# Allegro board PROC048A_BRD.brd (continued)
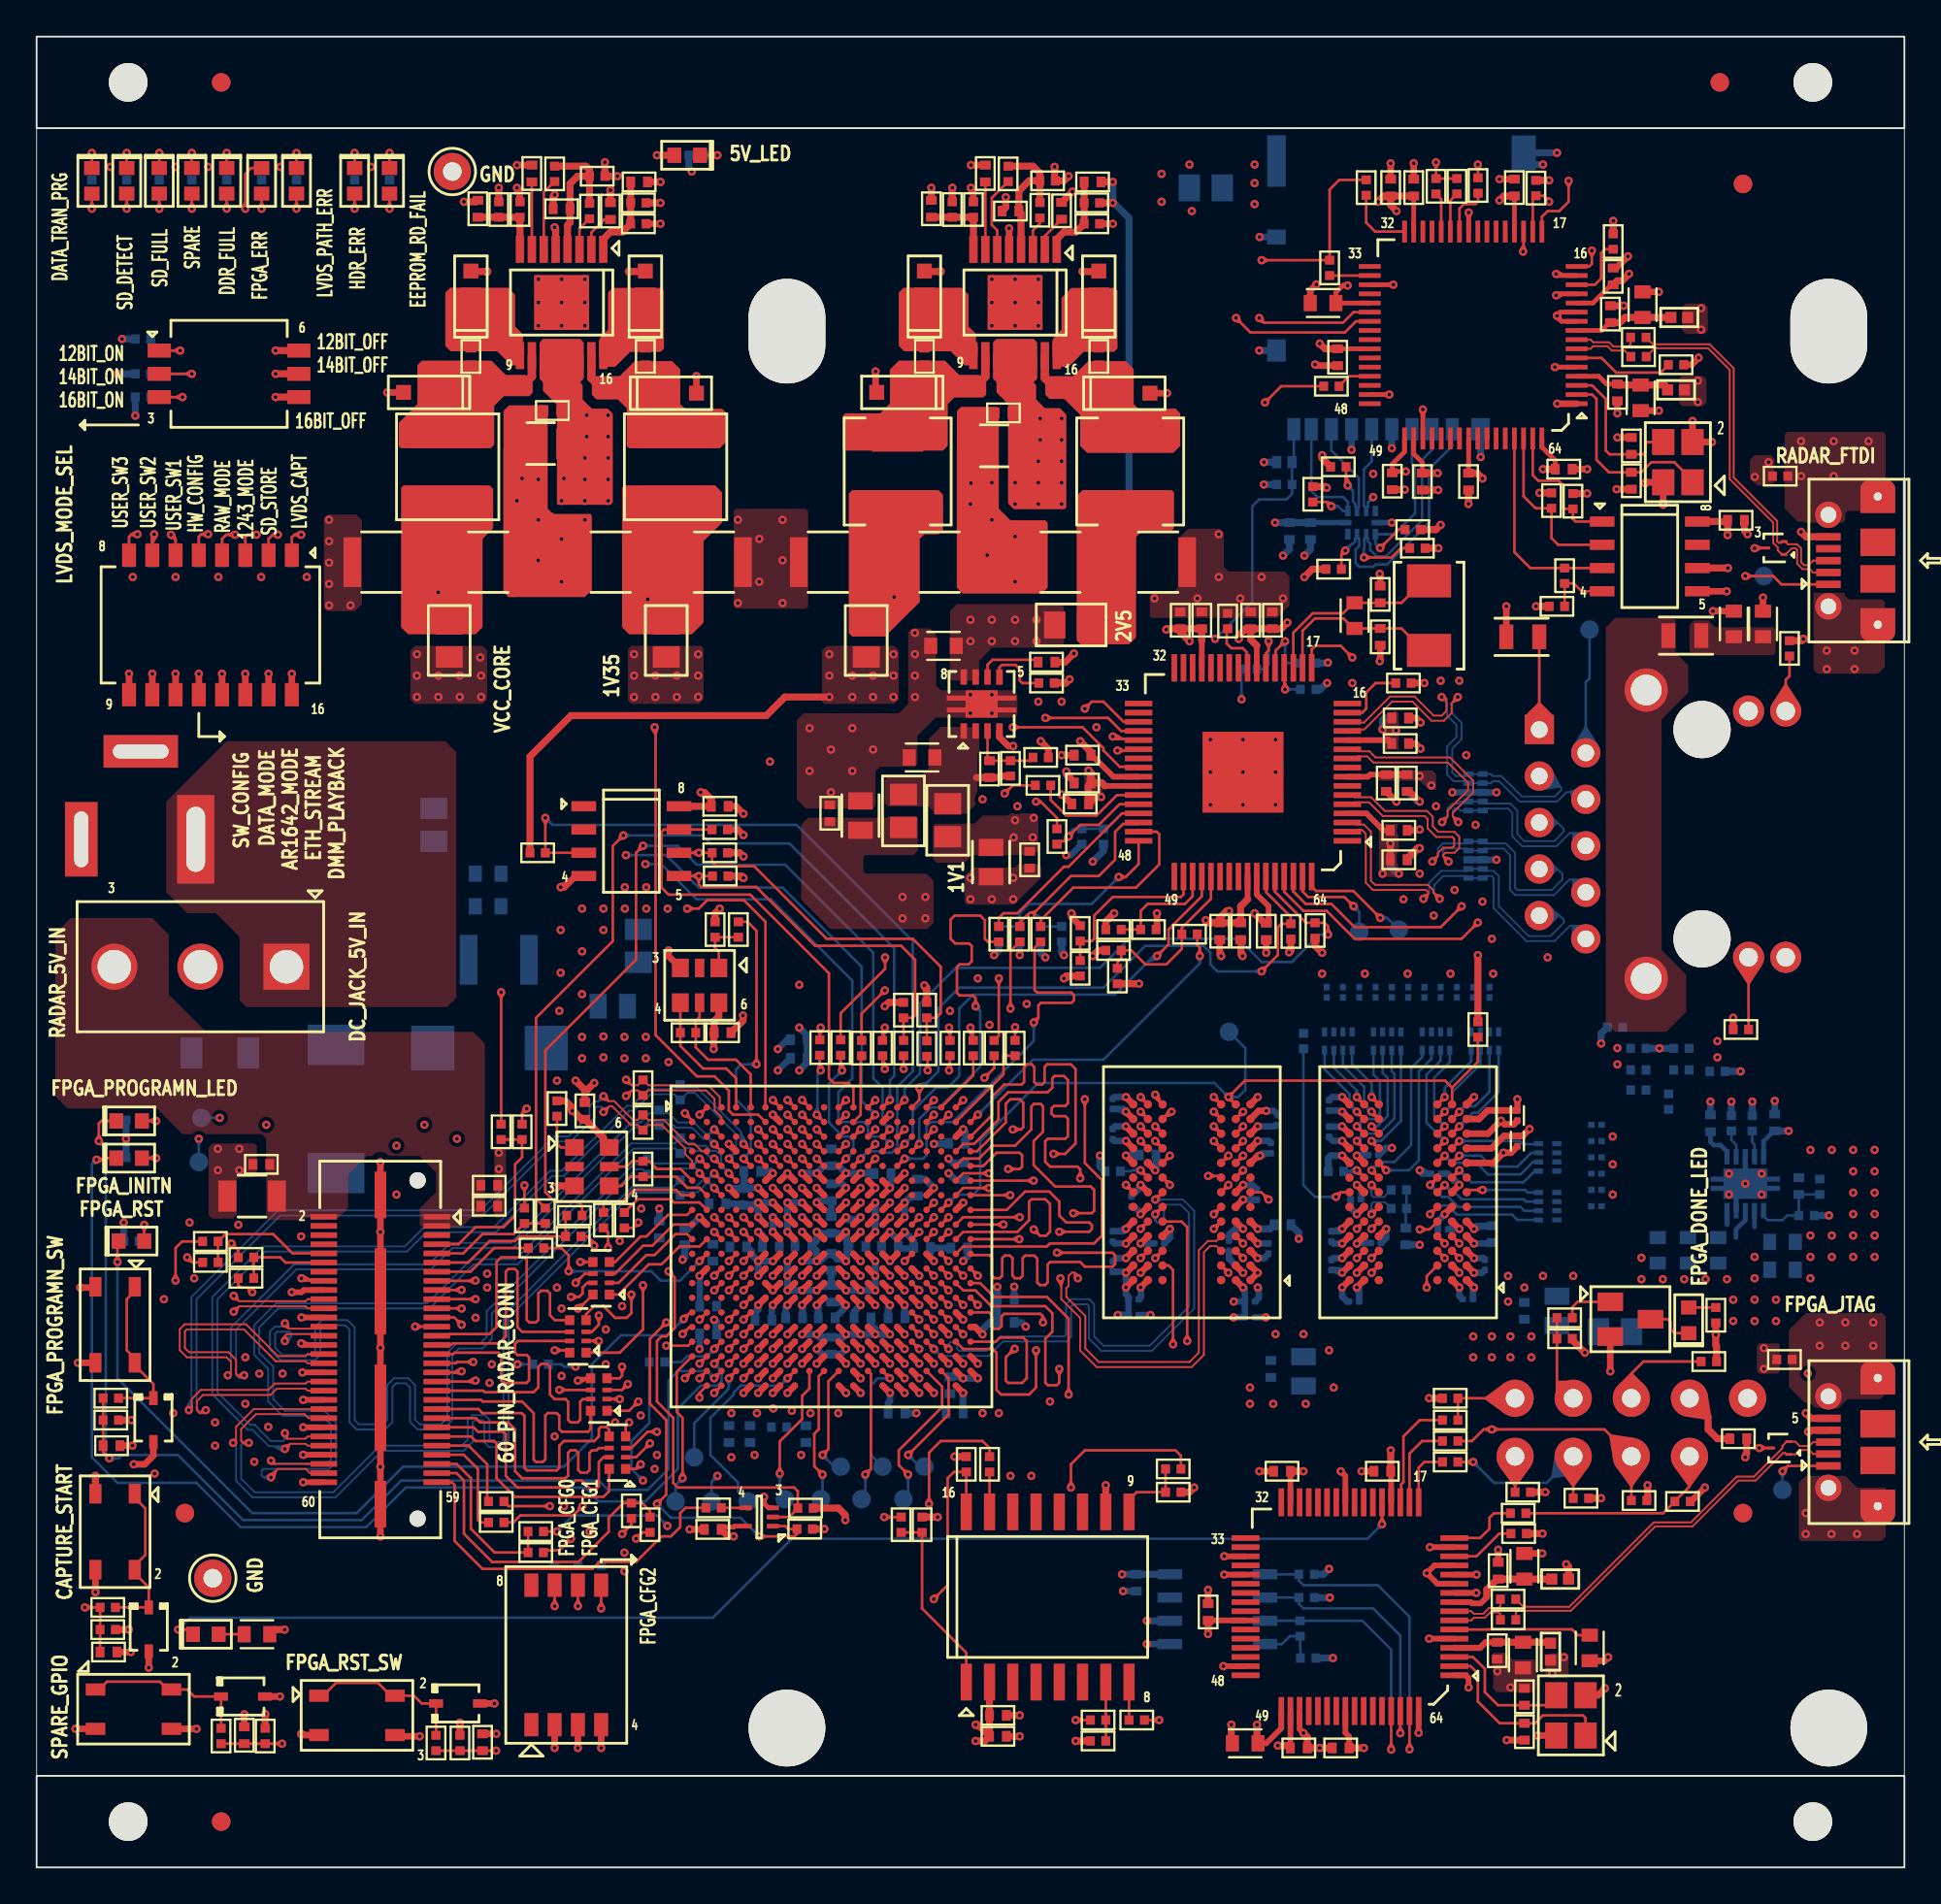
[diagram p0: board, top side]
## Routing (per net, layer and track width the routed paths; a pad name or vN(x,y) marks a point on that pad's centre or on a via; arc(x,y) is an arc through that point) (continued)
AR1243_LVDS_MODE: length 53.7
  TOP w0.14: U12.C6 v1(39.4,40.31) ; v1(12.01,72.79) 11.54,72.79 11.4,72.65 SW2.3
  L03_SIG1 w0.107: v1(39.4,40.31) 36.04,43.68 36.04,52.68 36.7,53.35 36.7,55.77 33.62,58.85 23.59,58.85 13.56,68.88 13.56,71.24 v1(12.01,72.79)
  BOTTOM w0.14: R175.2 11.4,72.68 11.51,72.79 v1(12.01,72.79)
BST1_REGA: length 1.8
  TOP w0.457: U1.15 30.29,81.35 30.7,80.95
BST1_REGB: length 1.8
  TOP w0.457: 55.47,80.95 55.06,81.35 U2.15
BST2_REGA: length 1.7
  TOP w0.457: 26.68,81.07 27.05,81.43 U1.10
BST2_REGB: length 1.7
  TOP w0.457: U2.10 51.81,81.43 51.45,81.07
C_RGMII_RXC: length 6.4
  TOP w0.14: U6.43 60.18,58.57 59,58.57 57.88,57.45 56.23,57.45 55.38,58.3 R47.2
C_RGMII_RXCTL: length 9.6
  TOP w0.14: R66.2 59.02,49.45 59.23,49.66 R64.2 59.78,50.08 60.55,49.32 61.69,49.32 62.54,50.17 R63.2 62.54,51.32 64.13,52.91 64.13,54.12
C_RGMII_RXD0: length 7.5
  TOP w0.14: U6.44 59.14,58.07 58.01,56.94 56.99,56.94 v1(56.36,56.31) 56.1,56.05 55.89,56.05 R48.1
  BOTTOM w0.14: R184.2 R185.2 56.65,56.73 56.36,56.43 v1(56.36,56.31)
C_RGMII_RXD1: length 10.5
  TOP w0.14: U6.45 59.27,57.57 56.36,54.66 56.1,54.66 53.56,52.12 52.8,52.12 52.55,51.86 R60.1
C_RGMII_RXD2: length 12
  TOP w0.14: U6.46 60.1,56.99 59.33,56.99 58.9,56.56 58.9,55.04 58.01,54.15 56.48,54.15 v1(54.32,51.99) 54.07,51.99 53.69,51.61 R61.1
  BOTTOM w0.14: v1(54.32,51.99) 54.69,51.99 54.83,51.85 R187.2 R186.1
C_RGMII_RXD3: length 10.9
  TOP w0.14: R62.1 54.83,51.74 56.61,53.51 60.04,53.51 61.31,54.78 61.31,56.43 61.17,56.57 U6.47
C_RGMII_RXD4: length 10.7
  TOP w0.14: v1(59.09,54.09) 59.48,54.09 60.18,54.8 U6.48
  BOTTOM w0.14: v1(59.09,54.09) 57.63,52.62 54.2,52.62 53.69,52.12 R188.2 R189.1
C_RGMII_RXD6: length 9.5
  TOP w0.14: R65.1 R59.2 57.63,50.6 57.75,50.72 57.75,51.99 58.77,53.01 62.49,53.01 62.63,53.15 U6.50
C_RGMII_RXD7: length 6.3
  TOP w0.14: R55.1 R56.2 60.3,52.25 60.67,52.62 62.71,52.62 63.13,53.05 U6.51
CAPTURE_START: length 51.6
  TOP w0.14: C89.2 R153.2 R151.1 v1(2.63,14.2) ; U12.U1 35.58,28.49 v1(34.38,28.49)
  L08_SIG2 w0.107: v1(2.63,14.2) 3.2,13.64 32.23,13.64 33.43,14.84 33.43,18.4 31.97,19.86 31.97,23.03 33.5,24.56 33.5,27.61 v1(34.38,28.49)
CFG0: length 24.9
  TOP w0.14: v1(28.29,14.27) S1.7 ; U12.U4 v1(37.8,28.31)
  L03_SIG1 w0.107: v1(28.29,14.27) 29.3,13.25 31.97,13.25 33.88,15.16 33.88,18.72 36.29,21.13 36.29,25.19 36.62,25.52 36.62,26.16 36.8,26.33 37.16,26.33 37.38,26.56 37.38,27.9 v1(37.8,28.31)
  BOTTOM w0.14: v1(28.29,14.27) R217.2
CFG1: length 24.3
  TOP w0.14: U12.T4 v1(37.8,29.11) ; v1(29.56,14.27) S1.6
  L03_SIG1 w0.107: v1(29.56,14.27) 30.12,13.71 31.79,13.71 33.37,15.29 33.37,18.59 35.81,21.03 35.81,26.97 35.94,27.1 36.47,27.1 36.59,27.22 36.59,28.8 36.91,29.11 v1(37.8,29.11)
  BOTTOM w0.14: R216.2 v1(29.56,14.27)
CFG2: length 22.5
  TOP w0.14: U12.R4 v1(37.8,29.91) ; S1.5 v1(30.83,14.14)
  L03_SIG1 w0.107: v1(30.83,14.14) 30.83,17.95 32.86,19.99 33.11,19.99 35.02,21.89 35.02,26.97 35.65,27.61 35.65,28.37 36.8,29.51 37.4,29.51 v1(37.8,29.91)
  BOTTOM w0.14: R215.2 v1(30.83,14.14)
CONFIG_VIA_HW: length 57.2
  TOP w0.14: v1(9.37,72.82) 9,72.82 8.86,72.68 SW2.5 ; U12.A7 v1(40.2,41.91)
  L03_SIG1 w0.107: v1(40.2,41.91) 38.88,43.24 38.88,45.18 39.04,45.34 39.04,57.88 36.42,60.5 31.72,60.5 17.62,74.6 11.14,74.6 v1(9.37,72.82)
  BOTTOM w0.14: v1(9.37,72.82) 9,72.82 8.86,72.68 R177.2
CONN_SPI_CLK: length 6.6
  TOP w0.14: J3.9 23.3,33.54 24.35,34.59 26.06,34.59 R91.2 R92.2
CONN_SPI_CSN: length 10.4
  TOP w0.14: J3.7 23.04,34.04 23.97,34.97 25.49,34.97 26.13,35.61 26.13,38.4 26.51,38.78 R86.2 R85.2
CONN_SPI_MISO: length 5.1
  TOP w0.14: R96.2 R90.2 13.3,33.32 13.59,33.04 J3.12
CONN_SPI_MOSI: length 8.8
  TOP w0.14: R99.2 28.88,35.55 R101.2 26.38,34.46 26.13,34.21 24.73,34.21 23.56,33.04 J3.11
DATA_TRANS_PROG_LED1: length 83.1
  TOP w0.14: LD1.1 v1(3.02,93.65) ; U12.E6 v1(39.4,38.71)
  L03_SIG1 w0.107: v1(3.02,93.65) 2.51,93.14 2.51,69.39 5.17,66.72 13.3,66.72 23.21,56.82 32.86,56.82 34,55.67 34,43.73 34.89,42.85 35.4,42.85 37.43,40.81 37.84,40.81 38.19,40.46 38.19,39.29 38.37,39.11 39,39.11 v1(39.4,38.71)
DDR3_A0: length 48.7
  TOP w0.14: U12.K18 v1(49.8,34.71) ; U11.K3 v1(76.9,39.68) ; U10.K3 v1(64.29,39.68)
  L08_SIG2 w0.107: v1(49.8,34.71) 49.8,34.97 49.38,35.39 49.38,35.73 49.58,35.93 51.93,35.93 52.8,36.81 52.8,37.86 52.37,38.29 51.26,38.29 51.15,38.4 51.15,38.66 51.26,38.77 53.94,38.77 55.22,40.06 58,40.06 58.39,39.67 58.89,39.67 59.28,40.06 59.76,40.06 59.87,40.17 59.87,41.53 59.99,41.66 60.57,41.66 60.67,41.55 60.67,40.17 60.78,40.06 61.75,40.06 61.86,40.17 61.86,40.77 61.97,40.88 62.18,40.88 62.29,40.77 62.29,40.17 62.39,40.06 63.21,40.06 63.59,39.68 v1(64.29,39.68) 64.74,39.68 65.13,40.06 67.41,40.06 67.91,40.56 67.91,41.07 68.5,41.66 73.62,41.66 75.6,39.68 v1(76.9,39.68)
  BOTTOM w0.14: v1(76.9,39.68) 75.9,40.67 75.9,43.3 76.67,44.07 RA6.6
DDR3_A1: length 47.6
  TOP w0.14: U10.L7 v1(61.09,40.48) ; U12.G20 v1(53.17,36.71) ; U11.L7 v1(72.9,40.48)
  L03_SIG1 w0.107: v1(53.17,36.71) 52.87,36.71 52.77,36.82 52.77,36.97 53.94,38.15 53.94,38.79 53.84,38.89 53.03,38.89 52.93,39 52.93,39.21 53.03,39.32 53.84,39.32 53.94,39.43 53.94,40.31 54.07,40.43 55.72,40.43 55.97,40.69 55.97,42.85 56.48,43.35 56.48,45.13 57.22,45.87 59.81,45.87 59.91,45.77 59.91,43.86 59.66,43.61 59.02,43.61 58.64,43.23 58.64,41.07 58.85,40.86 60.49,40.86 60.53,40.81 60.75,40.81 v1(61.09,40.48) 62.51,40.48 63.73,41.7 66.89,41.7 67.39,42.2 69.29,42.2 69.4,42.09 69.4,40.72 69.69,40.43 70.71,40.43 71.13,40.86 72.52,40.86 v1(72.9,40.48)
  BOTTOM w0.14: v1(72.9,40.48) 73.22,40.48 73.78,41.04 73.78,43.13 73.5,43.4 RA7.7
DDR3_A2: length 47.8
  TOP w0.14: U11.L3 v1(76.9,40.48) ; U12.G19 50.6,37.11 v1(52.01,37.11) ; U10.L3 v1(64.29,40.48)
  L08_SIG2 w0.107: v1(52.01,37.11) 49.54,37.11 48.99,37.66 48.99,37.99 49.33,38.33 50.15,38.33 50.26,38.44 50.26,39.26 50.42,39.42 53.51,39.42 54.07,39.98 54.07,40.81 54.26,41 55.54,41 55.83,40.7 58.02,40.7 58.64,41.32 58.64,42.34 59.28,42.97 61.82,42.97 61.94,42.85 61.94,42.59 62.07,42.46 62.35,42.46 62.45,42.57 62.45,42.87 62.56,42.97 62.87,42.97 63.02,42.82 63.02,41.18 63.72,40.48 v1(64.29,40.48) 64.6,40.48 65.02,40.9 66.05,40.9 67.93,42.78 74,42.78 76.31,40.48 v1(76.9,40.48)
  BOTTOM w0.14: v1(76.9,40.48) 76.32,41.06 76.32,43.13 77.17,43.98 RA6.5
DDR3_A3: length 47.5
  TOP w0.14: U12.J18 v1(49.8,35.51) ; U10.K2 v1(65.89,39.68) ; U11.K2 v1(77.7,39.68)
  L08_SIG2 w0.107: v1(49.8,35.51) 50.24,35.51 50.34,35.41 50.34,34.32 50.45,34.21 50.66,34.21 50.77,34.32 50.77,35.41 50.88,35.51 51.09,35.51 51.2,35.41 51.2,34.32 51.3,34.21 51.52,34.21 51.62,34.32 51.62,35.41 51.73,35.51 52.2,35.51 52.95,36.27 53.33,36.27 53.56,36.5 53.56,38.27 53.69,38.4 54.83,38.4 55.09,38.65 55.09,39.42 55.34,39.67 55.85,39.67 55.97,39.54 55.97,38.53 56.1,38.4 56.36,38.4 56.48,38.53 56.48,39.54 56.61,39.67 57.82,39.67 58.2,39.29 59.66,39.29 60.04,38.91 61.31,38.91 61.66,39.26 64.83,39.26 65.25,39.68 v1(65.89,39.68) 66.13,39.68 66.52,39.29 68.04,39.29 68.42,39.67 68.42,40.94 68.8,41.32 70.5,41.32 70.96,40.86 73.96,40.86 75.53,39.3 77.32,39.3 v1(77.7,39.68)
  BOTTOM w0.14: v1(77.7,39.68) 80.99,39.68 81.16,39.5 81.99,39.5 RA9.8
DDR3_A4: length 48
  TOP w0.14: U10.L8 v1(60.29,40.48) ; v1(53.69,35.51) 50.6,35.51 U12.J19 ; U11.L8 v1(72.1,40.48)
  L03_SIG1 w0.107: v1(53.69,35.51) 53.69,37.38 54.32,38.02 54.32,39.92 54.45,40.05 56.1,40.05 56.86,40.81 56.86,41.07 56.36,41.58 56.36,42.59 56.86,43.1 56.86,45 57.37,45.51 59.4,45.51 59.53,45.39 59.53,44.12 59.4,43.99 58.39,43.99 58.26,43.86 58.26,40.43 58.64,40.06 59.63,40.06 60.05,40.48 v1(60.29,40.48) 60.55,40.48 60.93,40.1 62.75,40.1 63.51,40.86 67.25,40.86 67.66,41.27 67.66,41.7 67.79,41.83 68.93,41.83 69.06,41.7 69.06,40.56 69.52,40.1 71.51,40.1 71.85,40.43 72.05,40.43 v1(72.1,40.48)
  BOTTOM w0.14: RA7.8 73,43.31 73.36,42.95 73.36,41.18 73.06,40.88 72.49,40.88 v1(72.1,40.48)
DDR3_A5: length 48.6
  TOP w0.14: U10.L2 v1(65.89,40.48) ; U12.J16 v1(48.2,35.51) ; U11.L2 v1(77.7,40.48)
  L08_SIG2 w0.107: v1(77.7,40.48) 77.32,40.1 75.74,40.1 75.02,40.81 75.02,41.31 73.87,42.46 68.06,42.46 67.66,42.06 67.66,41.29 67.23,40.86 66.46,40.86 66.26,40.66 66.26,40.56 66.18,40.48 v1(65.89,40.48) 65.09,40.48 64.71,40.1 63.65,40.1 62.51,41.23 62.51,41.39 61.31,42.59 59.46,42.59 59.02,42.15 59.02,40.94 58.46,40.38 55.03,40.38 53.75,39.1 50.96,39.1 50.83,38.98 50.83,37.64 50.97,37.51 52.29,37.51 52.42,37.38 52.42,36.88 52.24,36.69 48.84,36.69 48.2,36.05 v1(48.2,35.51)
  BOTTOM w0.14: v1(77.7,40.48) 78.44,41.22 78.71,41.22 79.84,42.36 RA5.5
DDR3_A6: length 47.1
  TOP w0.14: U10.M8 v1(60.29,41.28) ; U12.E20 51.01,38.31 51.69,38.31 52.42,39.04 53.68,39.04 53.82,38.9 53.82,38.27 53.69,38.15 v1(53.05,38.15) ; U11.M8 v1(72.1,41.28)
  L03_SIG1 w0.107: v1(53.05,38.15) 53.05,37.77 52.8,37.52 52.65,37.52 52.55,37.62 52.55,40.31 53.05,40.81 55.21,40.81 55.59,41.19 55.59,43.23 56.1,43.73 56.1,45.39 56.91,46.2 60.17,46.2 60.29,46.07 60.29,43.86 60.29,43.48 59.91,43.1 59.28,43.1 59.02,42.85 59.02,41.77 59.13,41.66 59.64,41.66 60.03,41.28 v1(60.29,41.28) 60.52,41.28 60.66,41.13 61.24,41.13 61.48,40.9 62.41,40.9 62.83,41.32 62.83,42.21 63.14,42.52 69.64,42.52 69.82,42.34 69.82,41.45 69.94,41.32 70.71,41.32 71.04,41.66 71.53,41.66 71.86,41.32 72.05,41.32 v1(72.1,41.28)
  BOTTOM w0.14: v1(72.1,41.28) 71.69,41.68 71.69,42.24 70.34,43.6 RA8.8
DDR3_A7: length 47.8
  TOP w0.14: U12.K17 v1(49,34.71) ; U11.M2 v1(77.7,41.28) ; U10.M2 v1(65.89,41.28)
  L08_SIG2 w0.107: v1(77.7,41.28) 77.7,41 77.51,40.81 77.18,40.81 77.14,40.86 76.37,40.86 75.91,41.32 75.91,41.7 74.52,43.1 67.02,43.1 66.26,42.34 66.26,41.65 v1(65.89,41.28) 64.95,41.28 64.57,40.9 63.76,40.9 63.34,41.31 63.34,42.95 63,43.29 58.96,43.29 58.26,42.59 58.26,41.7 57.68,41.13 55.92,41.13 55.72,41.32 54.07,41.32 53.69,40.94 53.69,40.05 53.43,39.8 50.35,39.8 48.48,37.93 48.48,36.79 47.82,36.12 47.82,35.36 48.04,35.13 48.35,35.13 48.77,34.71 v1(49,34.71)
  BOTTOM w0.14: v1(77.7,41.28) 78,41.58 78.56,41.58 79.34,42.36 RA5.6
DDR3_A8: length 46.2
  TOP w0.14: U11.N8 v1(72.1,42.08) ; U10.N8 v1(60.29,42.08) ; U12.J20 v1(52.8,35.11)
  L03_SIG1 w0.107: v1(52.8,35.11) 53.2,35.11 53.31,35.22 53.31,35.73 53.18,35.86 51.78,35.86 51.47,36.18 51.47,40.17 52.87,41.58 52.88,41.58 55.28,43.98 55.28,46.32 55.8,46.84 60.67,46.84 61.05,46.45 61.05,43.23 60.29,42.46 v1(60.29,42.08) 60.67,42.08 60.93,41.82 61.43,41.82 62.84,43.23 72.63,43.23 72.74,43.13 72.74,42.72 v1(72.1,42.08)
  BOTTOM w0.14: v1(72.1,42.08) 72.1,42.44 70.84,43.7 RA8.7
DDR3_A9: length 47.5
  TOP w0.14: U12.D20 51.35,39.11 52.93,40.69 52.93,41.71 53.17,41.96 53.69,41.96 53.88,41.77 53.88,40.43 53.76,40.31 v1(53.31,40.31) ; U11.M3 v1(76.9,41.28) ; U10.M3 v1(64.29,41.28)
  L08_SIG2 w0.107: v1(53.31,40.31) 52.27,40.31 52.16,40.41 52.16,41.22 52.27,41.32 53.46,41.32 53.79,41.64 55.03,41.64 55.16,41.78 55.16,42.87 55.27,42.97 55.87,42.97 55.97,42.87 55.97,41.58 56.1,41.45 57.5,41.45 57.88,41.83 57.88,43.61 58.19,43.92 62.83,43.92 63.66,43.09 63.66,41.45 63.83,41.28 v1(64.29,41.28) 64.61,41.6 65.2,41.6 65.72,42.12 65.72,42.3 66.9,43.48 74.7,43.48 v1(76.9,41.28)
  BOTTOM w0.14: v1(76.9,41.28) 77.3,41.68 77.3,42.33 78.84,43.87 RA5.7
DDR3_A10: length 51.1
  TOP w0.14: v1(54.45,34.84) 54.79,34.5 55.12,34.5 55.34,34.72 55.34,36.24 55.09,36.5 54.34,36.5 54.2,36.36 54.2,35.35 53.56,34.71 50.6,34.71 U12.K19 ; U11.H7 v1(72.9,38.08) ; U10.H7 v1(61.89,37.28)
  L03_SIG1 w0.107: v1(72.9,38.08) 72.52,37.7 72.52,37.04 72.36,36.88 71.85,36.88 71.47,37.26 71.47,37.51 71.28,37.7 70.54,37.7 70.44,37.59 70.44,37.11 70.33,37 70.12,37 70.01,37.11 70.01,37.59 69.9,37.7 64.8,37.7 64.48,37.38 63.57,37.38 63.47,37.49 63.47,37.79 63.36,37.89 63.07,37.89 62.96,37.79 62.96,37.38 62.83,37.26 61.91,37.26 v1(61.89,37.28) 62.45,37.84 62.45,38.29 62.35,38.4 61.67,38.4 61.56,38.29 61.56,37.77 61.18,37.38 60.8,37.38 60.49,37.7 58.7,37.7 58.51,37.51 58.51,34.97 57.75,34.21 56.46,34.21 56.36,34.32 56.36,35.25 56.25,35.35 55.45,35.35 55.34,35.25 55.34,34.02 55.23,33.91 55.07,33.91 54.96,34.02 54.96,35.55 54.78,35.73 54.58,35.73 54.45,35.61 v1(54.45,34.84)
  BOTTOM w0.14: RA6.8 75.67,44.27 75.06,43.66 75.06,39.46 74.14,38.53 73.57,38.53 73.49,38.45 73.27,38.45 v1(72.9,38.08)
DDR3_A11: length 47.1
  TOP w0.14: v1(61.98,41.28) 61.89,41.28 U10.M7 ; U11.M7 v1(72.9,41.28) ; v1(52.01,37.91) 50.6,37.91 U12.F19
  L03_SIG1 w0.107: v1(72.9,41.28) 72.52,41.66 71.98,41.66 71.72,41.92 71.72,42.74 71.61,42.85 70.94,42.85 70.83,42.74 70.83,42.09 70.73,41.98 70.33,41.98 70.2,42.11 70.2,42.73 70.09,42.84 63.01,42.84 63.01,42.84 62.95,42.84 62.43,42.31 62.43,41.73 v1(61.98,41.28) 61.8,41.45 60.8,41.45 60.55,41.7 60.13,41.7 59.87,41.96 59.87,42.55 60.66,43.34 60.66,46.29 60.43,46.52 56.73,46.52 55.72,45.51 55.72,43.86 55.21,43.35 55.21,41.45 54.96,41.19 54.73,41.19 54.63,41.3 54.63,42.23 54.52,42.34 54.31,42.34 54.2,42.23 54.2,41.3 54.09,41.19 52.94,41.19 51.79,40.04 51.79,39.79 52.23,39.36 52.23,38.97 51.79,38.53 51.79,38.14 52.01,37.93 v1(52.01,37.91)
  BOTTOM w0.14: v1(72.9,41.28) 72.49,41.68 72.49,42.63 71.34,43.79 RA8.6
DDR3_A12: length 48.9
  TOP w0.14: v1(54.45,37.51) 54.45,37.51 51.01,37.51 U12.F20 ; U11.K7 v1(72.9,39.68) ; U10.K7 v1(61.09,39.68)
  L03_SIG1 w0.107: v1(54.45,37.51) 54.45,36.67 54.56,36.56 54.85,36.56 54.96,36.67 54.96,39.54 55.14,39.73 56.29,39.73 57.24,40.69 57.24,41.19 56.74,41.7 56.74,42.34 57.19,42.79 57.19,44.87 57.45,45.13 59.1,45.13 59.21,45.03 59.21,44.48 59.1,44.37 58.01,44.37 57.88,44.24 57.88,40.31 58.89,39.3 59.64,39.3 59.91,39.56 59.91,39.84 60.13,40.06 60.49,40.06 60.77,39.77 60.99,39.77 v1(61.09,39.68) 63.35,39.68 63.73,40.06 66.9,40.06 67.28,40.43 67.68,40.43 67.79,40.54 67.79,40.94 67.91,41.07 68.55,41.07 68.67,40.94 68.67,40.18 69.56,39.3 71.46,39.3 71.68,39.52 71.68,39.8 71.94,40.06 72.52,40.06 v1(72.9,39.68)
  BOTTOM w0.14: v1(72.9,39.68) 73.42,39.68 74.5,40.77 RA7.5
DDR3_A13: length 46.3
  TOP w0.14: U10.N3 v1(64.29,42.08) ; U12.L19 50.6,33.91 55.17,33.91 55.34,34.08 57.75,34.08 58.17,34.5 58.17,37.55 57.24,38.47 v1(57.24,41.96) ; U11.N3 v1(76.9,42.08)
  L08_SIG2 w0.107: v1(76.9,42.08) 75.11,43.86 65.25,43.86 64.71,43.32 64.71,42.5 v1(64.29,42.08) 63.98,42.38 63.98,43.22 62.96,44.24 57.12,44.24 56.74,43.86 56.74,42.46 v1(57.24,41.96)
  BOTTOM w0.14: v1(76.9,42.08) 76.9,42.57 78.34,44.01 RA5.8
DDR3_A14: length 46.3
  TOP w0.14: U10.N7 61.09,42.08 v1(61.09,42.2) ; U11.N7 v1(72.9,42.08) ; U12.K16 v1(48.2,34.71)
  L03_SIG1 w0.107: v1(72.9,42.08) 73.5,42.68 73.5,43.1 73.04,43.56 63.42,43.56 63.41,43.55 62.71,43.55 61.36,42.2 v1(61.09,42.2) 61.09,42.75 61.44,43.1 61.44,46.53 60.8,47.16 55.67,47.16 54.96,46.46 54.96,44.12 51.11,40.27 51.11,37.35 50.78,37.01 49.51,37.01 49.23,36.73 48.85,36.73 48.58,36.47 48.58,35.36 48.2,34.97 v1(48.2,34.71)
  BOTTOM w0.14: v1(72.9,42.08) 72.88,42.09 72.88,42.26 72.91,42.29 72.91,42.81 71.84,43.88 RA8.5
DDR3_A15: length 51.5
  TOP w0.14: U11.J7 v1(73.7,38.08) ; U12.J17 v1(49,35.51) ; U10.J7 v1(61.89,38.88)
  L03_SIG1 w0.107: v1(73.7,38.08) 73.75,38.13 73.75,38.37 73.65,38.47 71.92,38.47 71.47,38.02 68.15,38.02 68.04,38.13 68.04,38.87 67.88,39.04 67.4,39.04 67.28,38.91 67.28,38.13 67.17,38.02 66.52,38.02 66.07,38.47 64.8,38.47 64.39,38.88 v1(61.89,38.88) 60.52,38.88 59.81,38.18 58.29,38.18 58.13,38.02 58.13,35.1 58.01,34.97 57.63,34.97 57.5,35.1 57.5,39.31 57.39,39.42 56.99,39.42 56.48,38.91 56.48,36.24 55.97,35.73 55.47,35.73 55.01,36.19 54.15,36.19 54.07,36.11 54.07,35.05 53.73,34.72 52.29,34.72 51.15,35.86 51.15,36.5 50.95,36.69 49.64,36.69 49.38,36.44 49.38,36.13 49,35.75 v1(49,35.51)
  BOTTOM w0.14: v1(73.7,38.08) 74.94,38.08 75.48,38.62 75.48,43.47 76.17,44.16 RA6.7
DDR3_BA0: length 48.3
  TOP w0.14: U11.J2 v1(77.7,38.88) ; v1(56.99,37.64) 56.99,38.13 56.85,38.27 55.35,38.27 55.08,38.54 55.08,39.66 55.22,39.8 56.18,39.8 56.32,39.94 56.32,40.89 56.18,41.03 55.57,41.03 55.43,41.17 55.43,41.45 55.57,41.59 56.18,41.59 56.32,41.73 56.32,43.01 56.1,43.23 55.59,43.23 55.47,43.1 55.47,42.59 55.21,42.34 53.05,42.34 52.53,41.81 52.53,40.85 51.2,39.52 50.6,39.52 U12.D19 ; U10.J2 v1(65.89,38.88)
  L08_SIG2 w0.107: v1(77.7,38.88) 77.28,38.46 75.02,38.46 74.7,38.78 72.96,38.78 72.48,39.26 70.74,39.26 70.58,39.42 70.58,39.95 70.47,40.05 69.29,40.05 69.18,39.95 69.18,39.16 68.2,38.18 66.52,38.18 65.89,38.81 v1(65.89,38.88) 65.85,38.88 65.47,38.5 62.8,38.5 61.96,37.66 57.65,37.66 57.63,37.64 v1(56.99,37.64)
  BOTTOM w0.14: v1(77.7,38.88) 78.87,38.88 79.47,38.27 80.87,38.27 81.1,38.5 81.1,38.5 81.63,39.03 RA9.7
DDR3_BA1: length 49.7
  TOP w0.14: U11.K8 v1(72.1,39.68) ; v1(55.53,38.97) 56.17,38.97 56.74,39.54 56.74,43.61 56.48,43.86 55.18,43.86 55.04,43.72 55.04,42.9 54.9,42.76 54.62,42.76 54.48,42.9 54.48,43.72 54.35,43.86 54.07,43.86 53.93,43.72 53.93,42.9 53.79,42.76 52.84,42.76 52.16,42.08 52.16,41.07 U12.C20 ; U10.K8 v1(60.29,39.68)
  L03_SIG1 w0.107: v1(55.53,38.97) 55.53,36.35 55.64,36.24 55.97,36.24 56.1,36.37 56.1,39.04 56.81,39.74 57.94,39.74 59.18,38.5 59.64,38.5 60.29,39.14 v1(60.29,39.68) 60.67,39.3 67.16,39.3 67.4,39.54 67.4,39.95 67.51,40.05 68.29,40.05 68.42,39.93 68.42,38.91 68.83,38.5 71.46,38.5 71.72,38.76 71.72,39.04 72.1,39.42 v1(72.1,39.68)
  BOTTOM w0.14: RA7.6 74,43.49 74.15,43.35 74.15,40.91 73.31,40.08 72.49,40.08 v1(72.1,39.68)
DDR3_BA2: length 49
  TOP w0.14: U12.H17 v1(49,36.31) ; U11.J3 v1(76.9,38.88) ; U10.J3 v1(65.09,38.88)
  L08_SIG2 w0.107: v1(76.9,38.88) 75.44,38.88 74.26,40.06 71.08,40.06 70.45,40.69 69.18,40.69 68.8,40.31 68.8,39.42 67.88,38.5 66.66,38.5 66.39,38.76 66.39,38.96 66.09,39.26 65.47,39.26 v1(65.09,38.88) 62.55,38.88 62.13,38.46 60.1,38.46 59.71,38.07 57.63,38.07 57.5,38.2 57.5,39.29 57.44,39.35 57.03,39.35 56.93,39.24 56.93,38.18 56.74,37.99 54.22,37.99 53.94,37.72 53.94,36.32 53.57,35.95 53.09,35.95 52.42,35.27 52.42,33.83 52.29,33.7 48.48,33.7 48.37,33.82 48.37,34.09 48.48,34.21 49.24,34.21 49.42,34.39 49.42,34.83 49.12,35.13 48.84,35.13 48.62,35.36 48.62,35.93 v1(49,36.31)
  BOTTOM w0.14: RA9.6 81.72,38.53 81.04,37.85 79.25,37.85 78.63,38.48 77.3,38.48 v1(76.9,38.88)
DDR3_CASN: length 48.7
  TOP w0.14: v1(56.61,35.73) 57.63,35.73 57.75,35.86 57.75,37 57.57,37.19 55.62,37.19 54.45,38.36 54.45,39.67 54.96,40.18 54.96,41.58 54.83,41.7 54.46,41.7 54.32,41.56 54.32,40.31 53.43,39.42 52.16,39.42 51.46,38.72 50.6,38.72 U12.E19 ; U11.G3 v1(76.9,37.28) ; U10.G3 v1(65.09,37.28)
  L08_SIG2 w0.107: v1(76.9,37.28) 76.9,36.98 76.79,36.88 71.47,36.88 71.34,37 71.34,37.53 71.24,37.64 70.56,37.64 70.45,37.53 70.45,36.62 70.33,36.5 68.15,36.5 68.04,36.6 68.04,37 67.91,37.13 66.52,37.13 66.26,36.88 65.49,36.88 v1(65.09,37.28) 64.63,37.28 63.21,35.86 63.21,35.61 62.07,34.46 59.02,34.46 58.77,34.21 57.45,34.21 56.61,35.05 v1(56.61,35.73)
  BOTTOM w0.14: v1(76.9,37.28) 76.91,37.28 77.18,37 77.31,37 77.82,36.5 81.21,36.5 81.34,36.36 RA10.7
DDR3_CK: length 45.3
  TOP w0.102: U11.F7 v1(72.9,35.68) ; U10.F7 v1(61.09,35.68) ; U12.U18 v1(49.8,28.31)
  L03_SIG1 w0.089: v1(61.09,35.68) 61.36,35.95 62.92,35.95 63.21,36.24 65.05,36.24 65.48,35.81 68.3,35.81 68.39,35.72 68.39,35.1 68.65,34.84 69.07,34.84 69.33,35.1 69.33,35.72 69.42,35.81 71.45,35.81 71.84,36.2 72.61,36.2 72.73,36.33 72.81,36.33 72.9,36.24 v1(72.9,35.68)
  BOTTOM w0.102: R210.1 73.62,36.34 73,36.34 72.9,36.24 v1(72.9,35.68) ; v1(49.8,28.31) 49.8,28.58 49.9,28.68 50.16,28.68 50.26,28.58 50.26,28.34 50.39,28.22 51.87,28.22 52.66,29 56.12,29 56.22,29.1 56.22,30.77 56.49,31.03 57.49,31.03 57.75,30.77 57.75,29 58.26,28.49 60.79,28.49 62.93,30.64 62.93,35.75 62.48,36.2 61.66,36.2 61.56,36.1 61.56,35.35 61.44,35.23 61.19,35.23 61.09,35.33 v1(61.09,35.68)
DDR3_CKE: length 52.7
  TOP w0.14: v1(70.96,36.62) 71.21,36.88 U11.G9 ; v1(55.72,33.57) 58.76,33.57 58.9,33.44 58.9,32.95 58.76,32.81 57.24,32.81 56.99,33.07 55.35,33.07 55.21,32.93 55.21,31.95 55.07,31.81 54.79,31.81 54.65,31.95 54.65,33.25 54.48,33.42 53.99,33.42 53.85,33.28 53.85,32.32 53.71,32.18 53.43,32.18 53.29,32.32 53.29,33.28 53.15,33.42 52.87,33.42 52.73,33.28 52.73,32.32 52.59,32.18 52.31,32.18 52.17,32.32 52.17,33.31 52.03,33.45 51.07,33.45 U12.L20 ; U10.G9 v1(59.49,37.28)
  L03_SIG1 w0.107: v1(70.96,36.62) 69.82,36.62 69.69,36.75 69.69,37 69.56,37.13 69.31,37.13 69.18,37 69.18,36.62 69.06,36.5 68.78,36.5 68.67,36.6 68.67,37.02 68.57,37.13 68.27,37.13 68.17,37.02 68.17,36.6 68.06,36.5 67.79,36.5 67.66,36.62 67.66,37.13 67.53,37.26 66.52,37.26 66.15,36.9 59.87,36.9 v1(59.49,37.28) 59,37.28 58.9,37.17 58.9,36.71 59.11,36.5 60.06,36.5 60.17,36.39 60.17,36.22 60.06,36.11 59,36.11 58.9,36.01 58.9,34.84 57.88,33.83 55.97,33.83 v1(55.72,33.57)
  BOTTOM w0.14: R191.1 69.18,37.26 69.82,36.62 v1(70.96,36.62)
DDR3_CKN: length 45.4
  TOP w0.102: U10.G7 v1(61.09,36.48) ; U12.U17 v1(49,28.31) ; U11.G7 v1(72.9,37.28)
  L03_SIG1 w0.089: v1(61.09,36.48) 61.32,36.24 62.8,36.24 63.09,36.53 65.17,36.53 65.6,36.11 68.42,36.11 68.68,35.85 68.68,35.23 68.77,35.14 68.95,35.14 69.04,35.23 69.04,35.85 69.3,36.11 71.33,36.11 71.72,36.5 72.48,36.5 72.61,36.62 72.81,36.62 72.9,36.71 v1(72.9,37.28)
  BOTTOM w0.102: R209.1 73.58,36.62 73,36.62 72.9,36.72 v1(72.9,37.28) ; v1(61.09,36.48) 62.6,36.48 63.21,35.86 63.21,30.53 60.9,28.22 58.15,28.22 57.47,28.89 57.47,30.65 57.37,30.76 56.6,30.76 56.5,30.65 56.5,28.99 56.23,28.72 52.77,28.72 51.99,27.94 49.38,27.94 v1(49,28.31)
DDR3_CSN: length 48.2
  TOP w0.14: U12.T17 v1(49,29.11) ; U10.H2 v1(65.89,38.08) ; U11.H2 v1(77.7,38.08)
  L08_SIG2 w0.107: v1(77.7,38.08) 77.32,37.7 75.28,37.7 74.52,38.46 70.14,38.46 70.04,38.57 70.04,39.44 69.93,39.54 69.72,39.54 69.61,39.44 69.61,38.57 69.5,38.46 69.04,38.46 68.42,37.84 66.41,37.84 66.17,38.08 v1(65.89,38.08) 65.82,38.15 62.96,38.15 62.45,37.64 62.45,36.24 62.32,36.11 61.94,36.11 61.82,36.24 61.82,36.75 61.67,36.9 56.59,36.9 56.48,37 56.48,37.53 56.38,37.64 55.95,37.64 55.85,37.53 55.85,36.86 55.74,36.75 55.21,36.75 54.45,35.99 54.45,35.61 53.82,34.97 53.43,34.97 52.8,34.34 52.8,33.19 52.3,32.7 48.84,32.7 48.62,32.47 48.62,29.5 v1(49,29.11)
  BOTTOM w0.14: RA9.5 81.81,38.03 81.22,37.44 81.17,37.44 81.16,37.42 78.35,37.42 v1(77.7,38.08)
DDR3_DM0: length 36.6
  TOP w0.14: U11.B7 v1(72.9,32.48) ; v1(54.58,28.24) 54.58,26.21 54.2,25.83 52.67,25.83 52.42,26.08 52.42,28.11 52.22,28.31 50.6,28.31 U12.U19
  L08_SIG2 w0.107: v1(54.58,28.24) 55.09,28.75 57.88,28.75 58.39,29.26 58.88,29.26 58.99,29.15 58.99,28.24 59.1,28.14 59.31,28.14 59.42,28.24 59.42,29.15 59.52,29.26 59.74,29.26 59.84,29.15 59.84,28.24 59.95,28.14 60.16,28.14 60.27,28.24 60.27,29.15 60.38,29.26 64.48,29.26 64.86,28.88 66.8,28.88 67.05,28.62 67.79,28.62 68.17,29 68.17,30.53 68.42,30.78 71.47,30.78 71.68,30.99 71.68,31.88 71.89,32.1 72.22,32.1 72.62,31.69 72.89,31.69 73.21,32.01 73.21,32.16 v1(72.9,32.48)
DDR3_DM1: length 30.8
  TOP w0.14: U10.B7 61.82,32.88 62.06,32.63 v1(62.06,28.57) ; U12.R17 v1(49,29.91)
  L03_SIG1 w0.107: v1(62.06,28.57) 62.32,28.31 62.59,28.31 62.7,28.21 62.7,27.46 62.81,27.35 63.02,27.35 63.13,27.46 63.13,28.21 63.23,28.31 63.45,28.31 63.55,28.21 63.55,27.46 63.66,27.35 63.87,27.35 63.98,27.46 63.98,28.21 64.09,28.31 64.41,28.31 64.61,28.11 64.61,26.97 64.43,26.79 53.49,26.79 53.18,27.1 49.68,27.1 49.38,27.39 49.38,29.53 v1(49,29.91)
DDR3_DQ0: length 36.7
  TOP w0.14: U12.N20 51.53,31.91 52.29,31.16 55.18,31.16 56.36,29.98 v1(56.36,25.83) ; v1(75.91,31.67) 75.91,32.29 U11.B3
  L08_SIG2 w0.107: v1(56.36,25.83) 56.74,26.21 64.23,26.21 64.7,26.68 71.98,26.68 75.44,30.15 76.8,30.15 77.18,30.52 77.18,31.3 76.8,31.67 v1(75.91,31.67)
DDR3_DQ1: length 36.2
  TOP w0.14: U11.C7 v1(72.9,33.28) ; U12.P19 v1(50.6,30.71)
  L08_SIG2 w0.107: v1(72.9,33.28) 74.47,33.28 74.83,33.64 74.83,34.5 74.73,34.61 74.48,34.61 73.7,33.83 72.74,33.83 72.61,33.7 70.43,33.7 70.33,33.59 70.33,31.8 70.07,31.54 68.04,31.54 67.02,30.53 65.22,30.53 64.77,30.97 63.7,30.97 63.6,30.86 63.6,30.07 63.49,29.96 63.28,29.96 63.17,30.07 63.17,30.67 63.06,30.78 62.85,30.78 62.74,30.67 62.74,30.07 62.64,29.96 62.42,29.96 62.32,30.07 62.32,30.67 62.21,30.78 62,30.78 61.89,30.67 61.89,30.07 61.78,29.96 61.57,29.96 61.46,30.07 61.46,30.86 61.36,30.97 54.41,30.97 53.77,30.33 50.98,30.33 v1(50.6,30.71)
DDR3_DQ2: length 36.7
  TOP w0.14: U12.N19 50.6,31.51 51.28,31.51 52.14,30.65 55.09,30.65 55.47,30.27 55.47,29.26 55.09,28.88 55.09,26.48 55.23,26.34 55.71,26.34 55.85,26.48 v1(55.85,27.22) ; U11.C2 v1(77.7,33.28)
  L08_SIG2 w0.107: v1(55.85,27.22) 56.99,27.22 57.32,26.89 64,26.89 64.44,27.33 70.58,27.33 75.82,32.57 76.99,32.57 v1(77.7,33.28)
DDR3_DQ3: length 36.3
  TOP w0.14: v1(54.96,29.76) 54.96,30.1 54.82,30.23 52.84,30.23 52.7,30.1 52.7,29.56 52.56,29.42 52.28,29.42 52.14,29.56 52.14,30.17 52,30.31 U12.R20 ; U11.C8 v1(72.1,33.28)
  L08_SIG2 w0.107: v1(72.1,33.28) 71.72,32.9 70.94,32.9 70.83,32.79 70.83,31.42 70.58,31.16 68.17,31.16 67.79,30.78 67.79,30.02 67.28,29.51 65.25,29.51 65.12,29.64 58.13,29.64 57.75,29.26 57.22,29.26 57.12,29.36 57.12,30.35 57.01,30.46 56.8,30.46 56.69,30.35 56.69,29.36 56.58,29.26 56.37,29.26 56.26,29.36 56.26,30.35 56.16,30.46 55.94,30.46 55.84,30.35 55.84,29.36 55.73,29.26 55.09,29.26 54.54,28.71 53.03,28.71 52.93,28.81 52.93,29.91 53.03,30.01 54.72,30.01 54.96,29.77 v1(54.96,29.76)